# Altium PCB vme64x6U_ctrlc.PcbDoc (part 14 of 18) (continued)
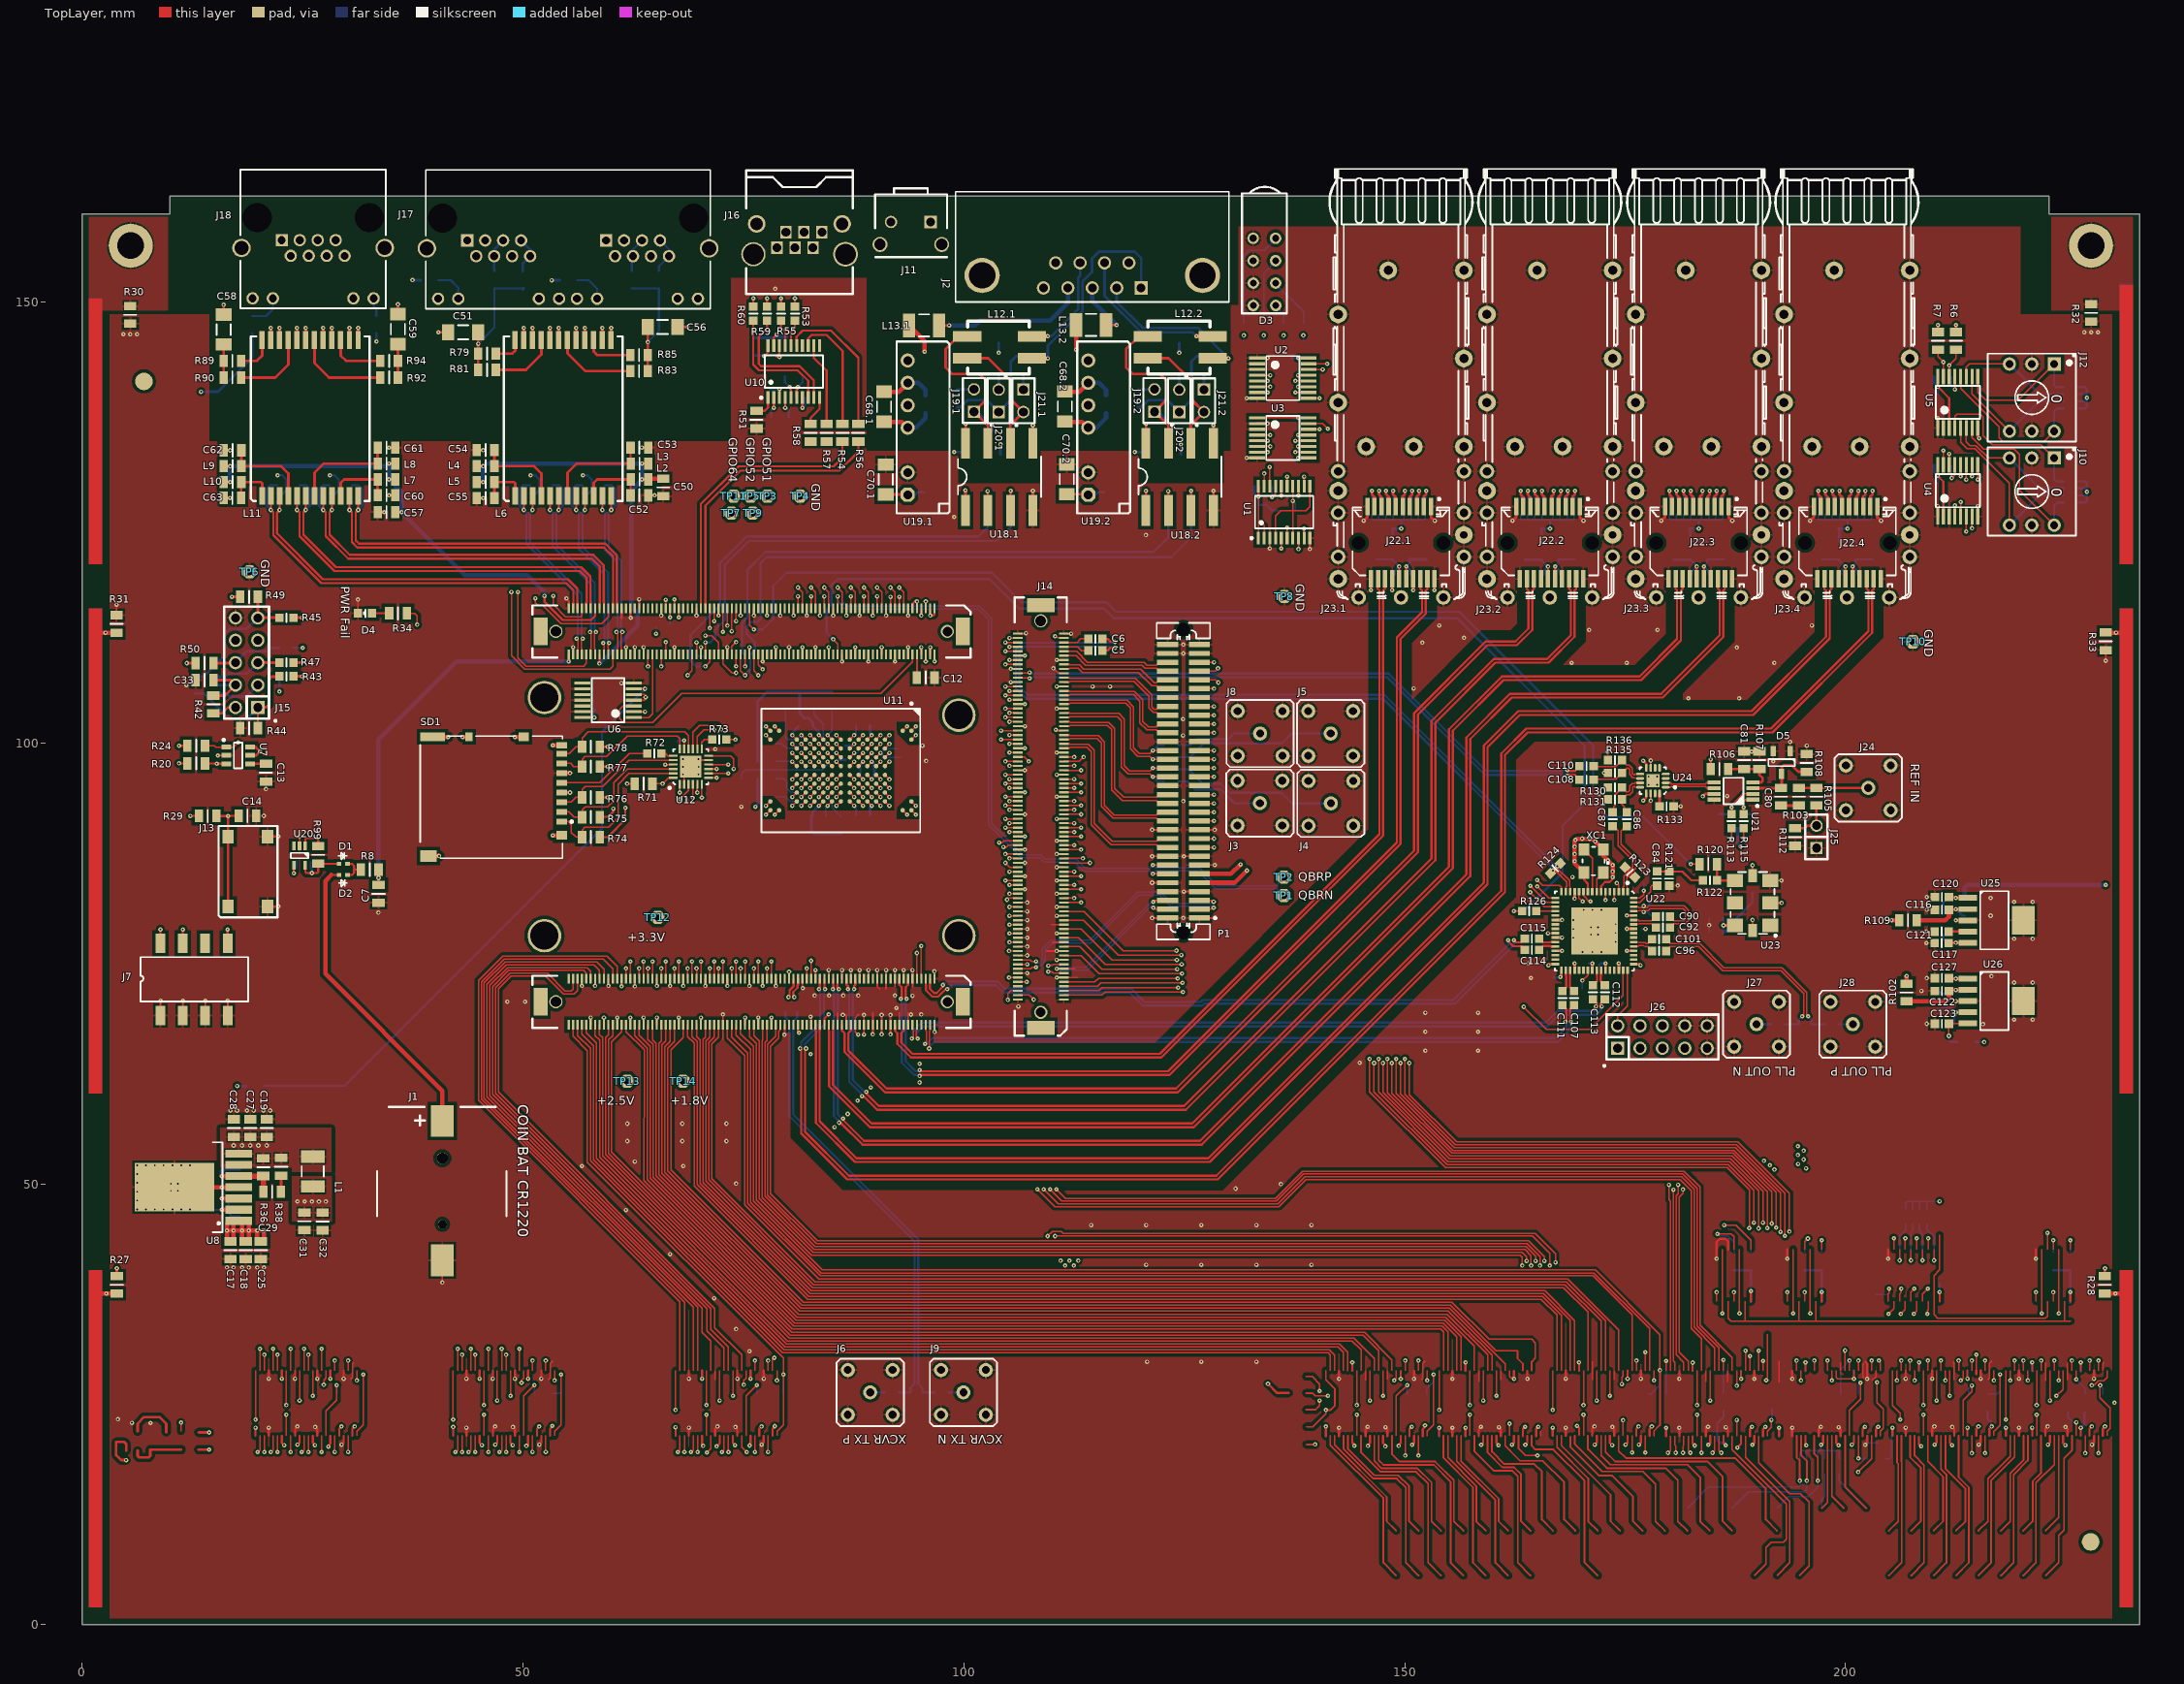
[diagram p0: TopLayer view]
## Nets (pads, with @x,y where several pads share a name; then routed paths per layer and width w, separated by ;. In a path a pad name is that pad's centre, name@x,y a point inside that pad or via, vN(x,y) a via of type N, cw(c..) or ccw(c..) an arc to the next point about the centre after c; other vN are vias at no path point) (continued)
  TopLayer w0.25: C63.1@16.035,127.785 v1(16.76,127.785) ; C62.1@16.06,133.185 v1(16.785,133.185) ; J13.3@21.035,81.435 v1@22.21,81.435 ; J13.4@21.035,89.385 v1@22.21,89.385 ; 21.15,21.425 v1(21.15,22.35) ; v1(21.15,27.9) 21.15,28.825 ; 24.15,21.425 24.15,22.225 v1(24.4,22.475) ; v1(24.15,27.9) 24.15,28.825 ; v1(26.425,22.425) 26.65,22.2 26.65,21.425 ; v1(26.65,27.9) 26.65,28.825 ; v1(29.425,20.425) 29.65,20.65 29.65,21.425 ; v1(29.65,27.9) 29.65,28.825 ; C57.1@33.51,126.185 v1(34.235,126.185) ; v1(34.785,128.085) C60.1@35.51,128.085 ; v1(34.785,133.485) C61.1@35.51,133.485 ; 43.575,21.425 v1(43.575,22.35) ; v1(43.575,27.9) 43.575,28.825 ; C55.1@44.75,127.775 v1(45.475,127.775) ; C54.1@44.75,133.2 v1(45.475,133.2) ; 46.575,21.425 46.575,22.225 v1(46.825,22.475) ; v1(46.575,27.9) 46.575,28.825 ; v1(48.85,22.425) 49.075,22.2 49.075,21.425 ; v1(49.075,27.9) 49.075,28.825 ; v1(51.85,20.425) 52.075,20.65 52.075,21.425 ; v1(52.075,27.9) 52.075,28.825 ; v1@54.925,116.3 55.175,116.05 J14.A167@55.175,115.25 ; 61.175,114.2 J14.A143@61.175,115.25 ; v1@62.175,114.2 J14.A139@62.175,115.25 ; J14.A135@63.175,115.25 v1(63.175,116.3) ; v1(63.475,133.5) C53.1@64.2,133.5 ; C52.1@64.2,128.075 C50.1@65.8,128.075 ; 68.8,21.425 v1(68.8,22.35) ; v1(68.8,27.9) 68.8,28.825 ; 71.8,21.425 71.8,22.225 v1(72.05,22.475) ; v1(74.075,22.425) 74.3,22.2 74.3,21.425 ; v1(74.3,27.9) 74.3,28.825 ; v1(77.075,20.425) 77.3,20.65 77.3,21.425 ; v1(77.3,27.9) 77.3,28.825 ; 78.735,143.81 79.085,144.16 U10.18@79.085,145.06 ; v1(132.08,132.325) U3.8@133.255,132.325 ; v1(132.08,139.1) U2.8@133.255,139.1 ; U3.2@133.255,136.225 v1(134.43,136.225) ; U2.1@133.255,143.65 v1(134.43,143.65) ; 142.55,21.4 142.55,21.425 v1(142.55,22.325) ; v1(142.55,27.875) 142.55,28.8 ; 145.55,21.4 145.55,21.425 145.55,22.2 v1(145.8,22.45) ; v1(147.825,22.4) 148.05,22.175 148.05,21.4 ; v1(150.825,20.4) 151.05,20.625 151.05,21.4 ; v1(151.05,27.875) 151.05,28.8 ; 155.4,21.4 155.4,21.425 v1(155.4,22.325) ; v1(155.4,27.875) 155.4,28.8 ; 158.4,21.4 158.4,21.425 158.4,22.2 v1(158.65,22.45) ; v1(160.675,22.4) 160.9,22.175 160.9,21.4 ; v1(163.675,20.4) 163.9,20.625 163.9,21.4 ; v1(163.9,27.875) 163.9,28.8 ; 168.275,21.425 v1(168.275,22.35) ; v1(168.275,27.9) 168.275,28.825 ; 171.275,21.425 171.275,22.225 v1(171.525,22.475) ; v1(173.55,22.425) 173.775,22.2 173.775,21.425 ; v1(176.55,20.425) 176.775,20.65 176.775,21.425 ; v1(176.775,27.9) 176.775,28.825 ; 181.15,21.4 v1(181.15,22.325) ; v1(181.15,27.875) 181.15,28.8 ; 184.15,21.4 184.15,22.2 v1(184.4,22.45) ; v1(185.375,41.525) 185.375,42.575 185.375,43.406 185.744,43.775 186.362,43.775 186.675,43.462 186.675,42.575 ; v1(186.425,22.4) 186.65,22.175 186.65,21.4 ; v1(189.425,20.4) 189.65,20.625 189.65,21.4 ; v1(189.65,27.875) 189.65,28.8 ; v1(193.4,41.525) 193.4,42.575 ; 193.95,21.4 193.95,21.425 v1(193.95,22.325) ; v1(193.95,27.875) 193.95,28.8 ; 196.95,21.4 196.95,21.425 196.95,22.2 v1(197.2,22.45) ; v1(199.225,22.4) 199.45,22.175 199.45,21.4 ; v1(202.225,20.4) 202.45,20.625 202.45,21.4 ; 202.25,29.825 202.45,29.625 202.45,28.825 ; v1(202.45,27.875) 202.45,28.8 ; v1(204.825,41.525) 204.825,42.575 ; 206.825,21.425 v1(206.825,22.35) ; v1(206.825,27.9) 206.825,28.825 ; 209.825,21.425 209.825,22.225 v1(210.075,22.475) ; v1(209.825,27.9) 209.825,28.825 ; v1(212.1,22.425) 212.325,22.2 212.325,21.425 ; v1(215.1,20.425) 215.325,20.65 215.325,21.425 ; v1(215.325,27.9) 215.325,28.825 ; 219.675,21.425 v1(219.675,22.35) ; v1(219.675,27.9) 219.675,28.825 ; v1(221.6,41.525) 221.6,42.575 ; 222.675,21.425 222.675,22.225 v1(222.925,22.475) ; v1(224.95,22.425) 225.175,22.2 225.175,21.425 ; v1(227.95,20.425) 228.175,20.65 228.175,21.425 ; v1(228.175,27.9) 228.175,28.825
  TopLayer w0.3: U18.1.4@107.825,126.375 v1(107.825,128.6) ; U18.2.4@128.3,126.375 v1(128.3,128.6) ; v1(139.25,121.975) U1.10@139.25,123.225 ; v1(145.35,125.2) 145.775,125.625 J22.1.10@145.775,126.8 ; v1(146.175,117.325) J22.1.11@146.175,118.6 ; v1(148.575,117.325) J22.1.14@148.575,118.6 ; v1(150.975,117.325) J22.1.17@150.975,118.6 ; J22.1.1@152.975,126.8 152.975,125.625 v1(153.4,125.2) ; v1(153.375,117.325) J22.1.20@153.375,118.6 ; v1(162.225,125.2) 162.65,125.625 J22.2.10@162.65,126.8 ; J22.2.1@169.85,126.8 169.85,125.625 v1(170.275,125.2) ; v1(179.1,125.2) 179.525,125.625 J22.3.10@179.525,126.8 ; J22.3.1@186.725,126.8 186.725,125.625 v1(187.15,125.2) ; v1(195.975,125.2) 196.4,125.625 J22.4.10@196.4,126.8 ; J22.4.1@203.6,126.8 203.6,125.625 v1(204.025,125.2) ; U4.1@210.45,125.68 v1(210.45,126.85) ; U5.1@210.45,135.705 v1(210.45,136.85) ; v1(212.507,79.883) U25.3@213.875,79.883 ; U4.8@215,125.68 v1(215,126.85) ; v1@215,134.655 U5.8@215,135.825
  TopLayer w0.5: U8.0@14.525,49.61 v1(15.82,49.61) U8.4@17.76,49.61 ; SD1.6@54.375,96.575 v1(55.325,96.575)
  MidLayer3 w0.5: v1(78.6,151.5) 78.6,151.875 80.84,154.115 J16.4@80.84,156.153 80.84,156.908 J16.3@81.86,157.928 81.86,159.335 83.175,160.65 90.17,160.65 J11.2@91.735,159.085
  BottomLayer w0.15: v1@11.99,106.56 U9.2@12.835,106.56 ; C106.1@176.85,78.9 176.871,78.921 v1(177.309,78.921) ; C83.2@184.525,78.5 v1(184.525,79.325) C82.2@184.525,80.15 ; v1@202.15,20.6 203.75,20.6
  BottomLayer w0.25: U15.2@22.08,128.285 22.78,128.285 23.165,128.67 23.165,129.87 22.69,130.345 v1(22.165,130.345) ; U16.2@28.02,128.285 28.72,128.285 29.105,128.67 29.105,129.87 28.63,130.345 v1(28.105,130.345) ; U13.2@50.775,128.285 51.475,128.285 51.86,128.67 51.86,129.87 51.385,130.345 v1(50.86,130.345) ; U14.2@56.715,128.285 57.415,128.285 57.8,128.67 57.8,129.87 57.325,130.345 v1(56.8,130.345) ; v1@80.55,92.85 v1(80.55,92.875) ; v1(80.55,100.875) 80.55,101.175 C46.2@81.275,101.9 ; v1(85.55,97.875) 85.75,98.075 C47.2@86.575,98.075 ; v1(87.55,92.875) 87.75,92.675 C45.2@87.75,91.8 ; v1(87.55,100.875) 87.75,101.075 C43.2@87.75,102 ; v1(88.55,95.875) 88.25,96.175 C44.2@88.25,96.9 88.25,97.575 v1(88.55,97.875) ; 168.275,21.475 v1(168.275,22.35) ; v1(168.275,27.9) 168.275,28.65 ; v1(176.775,27.9) 176.775,28.65 ; 181.15,21.45 v1(181.15,22.325) ; v1(181.15,27.875) 181.15,28.625 ; v1(189.65,27.875) 189.65,28.625 ; 193.95,21.45 193.95,21.475 ; v1(193.95,22.325) 193.95,21.475 ; v1(193.95,27.875) 193.95,28.625 ; 194.05,21.375 193.95,21.475 ; v1(202.45,27.875) 202.45,28.625 ; 202.45,28.775 202.475,28.8 ; 206.825,21.475 v1(206.825,22.35) ; v1(206.825,27.9) 206.825,28.65 ; v1(215.325,27.9) 215.325,28.65 ; 219.675,21.475 v1(219.675,22.35) ; v1@219.675,27.775 v1(219.675,27.9) 219.675,28.65 ; v1(228.175,27.9) 228.175,28.65
  other v1: 7.75,22.875 5.635,22.905 4.05,23.3 120.791,29.829 126.926,29.825 133.176,29.825 75.676,31.025 74.176,33.525 71.676,37.025 16.41,40.51 17.16,40.51 18.135,40.51 18.885,40.51 19.86,40.51 20.61,40.51 120.676,40.825 126.926,40.825 133.176,40.825 139.426,40.825 66.676,42.025 25.2,43.48 27.25,43.48 114.426,45.325 120.676,45.325 126.926,45.325 133.176,45.325 139.426,45.325 61.676,47.025 6.235,47.11 7.235,47.11 8.235,47.11 9.235,47.11 10.235,47.11 11.235,47.11 12.235,47.11 6.235,48.11 6.235,49.11 10.06,49.21 10.86,49.21 130.81,49.46 135.96,49.96 10.06,50.01 10.86,50.01 74.176,50.025 6.235,50.11 6.235,51.11 56.676,52.025 68.176,52.025 6.235,52.11 7.235,52.11 8.235,52.11 9.235,52.11 10.235,52.11 11.235,52.11 12.235,52.11 62.676,52.525 61.825,54.85 68.075,54.85 73.075,54.85 85.325,56.425 61.825,56.825 68.075,56.825 73.075,56.825 86.824,57.924 16.81,58.31 17.56,58.31 18.685,58.31 19.435,58.31 20.56,58.31 21.31,58.31 87.938,59.438 89.438,60.938 94.975,61.5 94.975,63.625 144.885,63.735 82.625,64.725 152.35,65.1 158.325,65.1 88.675,66.925 152.35,67.25 158.325,67.25 215.575,68.1 209.198,68.15 219.125,68.625 221.225,68.625 82.6,68.95 86.275,69.15 94,69.197 95.175,69.2 152.35,69.4 158.325,69.4 92.35,69.947 106.175,70.125 48.225,70.65 50.225,70.65 83.075,71.35 84.7,71.35 86.325,71.35 88.025,71.35 92.175,71.35 94.175,71.329 208.6,71.875 219.125,72.825 221.225,72.825 209.198,73.325 164.3,73.35 216.55,73.55 107.175,73.9 96.649,74.1 107.175,74.9 164.025,74.975 107.175,75.9 170.175,76.275 171.3,76.275 172.3,76.275 107.175,76.9 209.175,77.3 173.925,77.45 219.125,77.783 221.225,77.783 107.175,77.9 169.125,77.9 171.125,78.275 171.925,78.275 173.925,78.45 209.175,78.6 107.175,78.9 169.125,78.9 171.125,79.075 171.925,79.075 173.925,79.45 107.175,79.9 169.125,79.9 124.901,80.15 216.45,80.408 33.6,80.75 107.175,80.9 170.3,81.075 171.3,81.075 172.3,81.075 209.2,81.075 22.235,81.46 107.175,81.9 219.125,81.983 221.225,81.983 216.45,82.408 209.2,82.525 180.975,83.825 169.025,84.8 22.235,89.41 20.585,91.735 74.75,92.775 124.875,93.4 186.575,93.975 172.05,94.25 20.85,94.775 68.15,96.425 69.9,96.425 68.125,97.3 69.925,97.3 191.8,97.925 95.725,97.95 68.15,98.175 69.9,98.175 173,98.95 189.35,99.025 71.801,99.3 95.3,99.7 195.6,99.7 193.7,100.125 124.85,100.85 124.85,102.7 182.176,105.075 187.926,105.075 151.026,106.175 114.6,106.4 116.575,106.4 11.815,106.56 168.926,109.075 175.176,109.075 191.926,109.075 124.9,110.15 187.676,110.825 124.9,111.15 152.001,111.375 156.726,111.925 107.05,112.443 170.926,112.825 178.676,112.825 153.926,113.325 196.176,113.325 62.225,114.2 54.925,116.4 120.65,123.575 98.9,125.625 64.925,128.075 215.15,134.555 79.085,143.76 4.675,146.35 5.45,146.35 6.225,146.35 227.075,146.575 227.85,146.575 228.625,146.575
GPIO51: J14.A82 TP3.1 | length 22.5
  TopLayer w0.15: J14.A82@76.675,110.05 76.675,108.85 v1(77.175,108.35)
  MidLayer4 w0.15: v1(77.175,108.35) 77.45,108.35 77.775,108.675 77.775,109.4 77.075,110.1 77.075,124.8 77.725,125.45 TP3.1@77.725,128
GPIO52: J14.A84 TP5.1 | length 23.6
  TopLayer w0.15: J14.A84@76.175,110.05 76.175,108.175 v1(76.675,107.675)
  MidLayer4 w0.15: TP5.1@75.8,128 77.1,126.7 77.1,125.391 76.675,124.966 v1(76.675,107.675)
GPIO57: J14.A98 R23.1 | length 99.2
  TopLayer w0.15: J14.A98@72.675,110.05 72.675,108.975 73.7,107.95 v1(74.175,107.95)
  MidLayer3 w0.15: v1(74.175,107.95) 74.675,108.45 74.675,113.475 75.325,114.125 75.325,114.775 75.55,115 81.5,115 82.1,115.6 82.1,118.025 83.59,119.515 86.2,119.515 129.734,119.515 131.455,121.236 131.455,135.28 136.525,140.35 136.525,144.25 v1(138.5,146.225)
  BottomLayer w0.15: R23.1@138.5,145.5 v1(138.5,146.225)
GPIO58: J14.A100 TP7.1 | length 19.7
  TopLayer w0.15: v1(70.675,112.175) 71.4,112.175 72.175,111.4 J14.A100@72.175,110.05
  MidLayer4 w0.15: v1(70.675,112.175) 71.35,112.175 74.825,115.65 74.825,124.175 73.625,125.375 TP7.1@73.625,126.075
GPIO63: J14.A92 TP9.1 | length 19.5
  TopLayer w0.15: v1(74.175,108.7) J14.A92@74.175,110.05
  MidLayer4 w0.15: v1(74.175,108.7) 75.18,109.705 75.18,111.055 75.675,111.55 75.675,124.625 76.05,125 TP9.1@76.05,126.075
GPIO64: J14.A94 TP11.1 | length 19.2
  TopLayer w0.15: J14.A94@73.675,110.05 73.675,110.925 v1(74.175,111.425)
  MidLayer4 w0.15: TP11.1@73.875,128 74.825,127.05 74.825,125.25 75.25,124.825 75.25,112.5 v1(74.175,111.425)
GTP_REF0.IO_N: C111.2 J14.B6 | length 78.6
  TopLayer w0.15: v1(95.59,65.875) 95.763,66.047 95.763,67.338 95.675,67.425 J14.B6@95.675,68.05
  TopLayer w0.25: C111.2@167.875,70.275 168.325,69.825 168.325,68.498 v1(168.203,68.375)
  BottomLayer w0.25: v1(95.59,65.875) 95.799,65.875 96.449,66.525 167.15,66.525 168.325,67.7 168.325,68.253 v1(168.203,68.375)
GTP_REF0.IO_P: C107.2 J14.B4 | length 79.5
  TopLayer w0.15: v1(96.06,65.35) 96.088,65.377 96.088,67.338 96.175,67.425 J14.B4@96.175,68.05
  TopLayer w0.25: v1(168.873,68.375) 168.75,68.498 168.75,69.825 C107.2@169.2,70.275
  BottomLayer w0.25: v1(96.06,65.35) 96.06,65.535 96.625,66.1 167.326,66.1 168.75,67.524 168.75,68.253 v1(168.873,68.375)
GTP_REF1.IO_N: C113.2 J14.B12 | length 82.6
  TopLayer w0.15: v1(94.09,66.475) 94.262,66.647 94.262,67.338 94.175,67.425 J14.B12@94.175,68.05
  TopLayer w0.25: C113.2@171.35,70.925 171.813,70.463 171.813,70.248 v1(171.69,70.125)
  BottomLayer w0.25: v1(94.09,66.475) 94.212,66.597 94.212,67.276 95.211,68.275 166,68.275 167.325,69.6 171.612,69.6 171.813,69.8 171.813,70.003 v1(171.69,70.125)
GTP_REF1.IO_P: C112.2 J14.B10 | length 82.6
  TopLayer w0.15: J14.B10@94.675,68.05 94.675,67.425 94.587,67.338 94.587,66.647 v1(94.76,66.475)
  TopLayer w0.25: v1(172.36,70.125) 172.238,70.248 172.238,70.463 C112.2@172.7,70.925
  BottomLayer w0.25: v1(94.76,66.475) 94.637,66.597 94.637,67.1 95.388,67.85 166.176,67.85 167.501,69.175 171.789,69.175 172.238,69.624 172.238,70.003 v1(172.36,70.125)
GTP_REF2.IO_N: C115.2 J14.B5 | length 74.7
  TopLayer w0.25: J14.B5@95.675,73.25 95.675,72.575 95.713,72.538 95.713,71.936 96.424,71.225 97.076,71.225 97.926,72.075 v1(98.1,72.075) ; v1(162.395,77.625) 162.645,77.375 163.2,77.375 C115.2@163.625,77.8
  BottomLayer w0.25: v1(98.1,72.075) 98.549,72.525 103.625,72.525 104.45,71.7 118.8,71.7 120.299,70.201 127.027,70.201 127.251,70.424 155.699,70.424 162.395,77.12 v1(162.395,77.625)
GTP_REF2.IO_P: C114.2 J14.B3 | length 74.2
  TopLayer w0.25: J14.B3@96.175,73.25 96.175,72.575 96.138,72.538 96.138,72.113 96.6,71.65 96.9,71.65 97.626,72.376 v1(97.626,72.549) ; v1(161.725,77.625) 161.725,77.524 162.299,76.95 163.2,76.95 C114.2@163.625,76.525
  BottomLayer w0.25: v1(97.626,72.549) 98.027,72.95 103.801,72.95 104.626,72.125 118.976,72.125 120.476,70.626 126.851,70.626 127.074,70.849 155.523,70.849 161.725,77.051 v1(161.725,77.625)
HPS_PORn: J14.A132 R24.2 U7.1 U11.M5 | length 81.7
  TopLayer w0.15: R24.2@13.925,99.675 15.025,99.675 15.165,99.535 U7.1@16.335,99.535 17.16,99.535 v1(17.675,100.05) ; v1(64.175,108.675) J14.A132@64.175,110.05 ; v1(82.55,97.875) U11.M5@83.05,97.375
  MidLayer3 w0.15: v1(17.675,100.05) 29.724,100.05 32.574,102.9 56.2,102.9 56.9,103.6 62.675,103.6 63.5,104.425 64.075,104.425 64.5,104.85 64.5,106.525 64.175,106.85 v1(64.175,108.675)
  MidLayer4 w0.15: v1(64.175,108.675) 67.5,105.35 70.35,105.35 77.325,98.375 82.05,98.375 v1(82.55,97.875)
HPS_RSTn: C14.1 J13.1 J13.2 J14.A124 R29.2 R41.1 | length 88.7
  TopLayer w0.15: J14.A124@66.175,110.05 v1(66.175,111.425)
  TopLayer w0.25: R29.2@15.225,91.725 15.24,91.71 v1(16.535,91.71) ; J13.1@16.535,81.435 J13.2@16.535,89.385 v1(16.535,91.71) ; C14.1@17.735,91.735 16.56,91.735 v1(16.535,91.71)
  MidLayer3 w0.15: v1(16.535,91.71) 16.535,100.46 18.65,102.575 18.65,107.2 19.25,107.8 20.525,107.8 21.445,106.88 25.055,106.88 26.05,107.875 26.05,109.745 v1(25.01,110.785) 25.01,112.163 27.117,114.27 60.897,114.27 61.862,113.305 65.47,113.305 66.175,112.6 v1(66.175,111.425)
  BottomLayer w0.3: R41.1@23.96,110.785 v1(25.01,110.785)
I2C_SCL: J14.A111
I2C_SDA: J14.A113
IN0_N: C85.2 U22.64 | length 2.6
  TopLayer w0.15: U22.64@175.975,82.425 176.7,82.425 177.1,82.825 v1(177.1,83.25)
  BottomLayer w0.15: v1(177.1,83.25) C85.2@177.1,84.175
IN0_P: C84.2 U22.63 | length 3.7
  TopLayer w0.15: U22.63@175.975,81.925 176.675,81.925 177.875,83.125 177.875,83.625 178.075,83.825 C84.2@178.625,83.825
IN1_N: C87.2 R123.1 U22.2 | length 9.4
  TopLayer w0.15: C87.2@173.725,90.55 174.225,90.05 174.225,88.375 175.875,86.725 175.875,85.885 175.433,85.442 ; U22.2@174.775,83.125 174.775,83.625 174.862,83.713 174.862,84.872 175.433,85.442 ; R123.1@174.984,85.891 175.433,85.442
IN1_P: C86.2 R123.2 U22.1 | length 9.4
  TopLayer w0.15: C86.2@175.075,90.55 174.55,90.025 174.55,88.51 176.2,86.86 176.2,85.75 175.65,85.2 ; U22.1@175.275,83.125 175.275,83.625 175.187,83.713 175.187,84.737 175.65,85.2 ; R123.2@176.116,84.759 175.675,85.2 175.65,85.2
IN2_N: C6.2 R124.1 U22.15 | length 90.4
  TopLayer w0.15: v1(166.828,85.528) 167.072,85.528 168.362,84.238 168.362,83.713 168.275,83.625 U22.15@168.275,83.125
  TopLayer w0.25: C6.2@115.7,111.8 116.3,111.8 116.628,111.472 v1(117.125,111.472)
  BottomLayer w0.15: v1(166.828,85.528) v1@166.828,85.722
  BottomLayer w0.25: v1(117.125,111.472) 117.003,111.35 106.649,111.35 105.9,110.601 105.9,106.199 107.074,105.025 147.525,105.025 v1@166.828,85.722
IN2_P: C5.2 R124.2 U22.14 | length 89.6
  TopLayer w0.15: v1(167.302,86.002) 167.302,85.758 168.687,84.372 168.687,83.713 168.775,83.625 U22.14@168.775,83.125
  TopLayer w0.25: C5.2@115.7,110.475 116.3,110.475 116.628,110.802 v1(117.125,110.802)
  BottomLayer w0.15: v1@167.149,86.002 v1(167.302,86.002)
  BottomLayer w0.25: v1(117.125,110.802) 117.003,110.925 106.825,110.925 106.325,110.425 106.325,106.375 107.25,105.45 147.701,105.45 v1@167.149,86.002
IO_AL1: J14.A15 U22.12 | length 101
  TopLayer w0.15: v1(92.675,117.625) 93.175,117.125 J14.A15@93.175,115.25 ; U22.12@169.775,83.125 169.775,82.425 v1(170.175,82.025)
  MidLayer3 w0.15: v1@170.175,81.975 v1(170.175,82.025)
  MidLayer4 w0.15: v1(92.675,117.625) 93.105,118.055 93.3,118.055 125.155,118.055 130.13,113.08 146.729,113.08 168.325,91.484 168.325,86.4 170.175,84.55 v1(170.175,82.025)
IO_AL2: J14.A17 U22.18 | length 97.2
  TopLayer w0.15: J14.A17@92.675,115.25 v1(92.675,116.575) v1@92.675,116.625 ; v1(164.25,83.8) 166.125,81.925 U22.18@167.075,81.925
  MidLayer4 w0.15: v1(92.675,116.575) 93.495,116.575 94.335,117.415 124.89,117.415 129.865,112.44 146.464,112.44 164.25,94.654 v1(164.25,83.8)
IO_AL3: J14.A19 U22.16 | length 99.6
  TopLayer w0.15: v1(91.675,117.625) 92.175,117.125 J14.A19@92.175,115.25 ; v1(165,84.45) 165.625,83.825 167.55,83.825 167.775,83.6 U22.16@167.775,83.125
  MidLayer4 w0.15: v1(91.675,117.625) 92.175,117.125 93.225,117.125 93.835,117.735 125.023,117.735 129.998,112.76 146.596,112.76 164.57,94.786 164.57,84.88 v1(165,84.45)
IO_AL4: J14.A21 U22.19 | length 98.8
  TopLayer w0.15: J14.A21@91.675,115.25 v1(91.675,116.575) v1@91.675,116.625 ; v1(164.225,83.075) 165.875,81.425 U22.19@167.075,81.425
  MidLayer4 w0.15: v1(91.675,116.575) 92.17,116.08 93.452,116.08 94.467,117.095 124.758,117.095 129.733,112.12 146.331,112.12 163.9,94.551 163.9,84.325 163.755,84.18 163.755,83.545 v1(164.225,83.075)
IO_AL5: J14.A25 R118.2 U23.7 | length 123.1
  TopLayer w0.15: v1(90.175,117.625) 90.675,117.125 J14.A25@90.675,115.25
  TopLayer w0.25: U23.7@189.45,78.75 v1(189.45,79.925)
  MidLayer4 w0.15: v1@90.15,117.65 90.901,118.401 125.299,118.401 130.3,113.4 146.925,113.4 169.665,90.66 176.215,90.66 179.225,87.65 185.975,87.65 188.375,85.25 188.375,81 v1(189.45,79.925)
  BottomLayer w0.25: v1(189.45,79.925) 189.45,78.75 R118.2@189.525,78.675
IO_AL6: J14.A27 U22.47 | length 126.2
  TopLayer w0.15: J14.A27@90.175,115.25 v1(90.175,116.625) ; v1(163.5,70.075) 166.05,67.525 170.95,67.525 174.775,71.35 U22.47@174.775,74.225
  MidLayer4 w0.15: v1(90.175,116.625) 90.625,116.625 91.525,115.725 93.55,115.725 94.6,116.775 124.625,116.775 129.6,111.8 146.199,111.8 163.58,94.419 163.58,84.68 163.325,84.425 163.325,83.35 163.5,83.175 v1(163.5,70.075)
IO_AL7: J14.A31 R119.2 U23.8 | length 119.9
  TopLayer w0.15: v1(88.675,117.625) 89.175,117.125 J14.A31@89.175,115.25
  TopLayer w0.25: U23.8@189.45,84.95 v1(189.45,86.125)
  MidLayer4 w0.15: v1(88.675,117.625) 90.091,119.041 125.564,119.041 130.565,114.04 147.19,114.04 169.93,91.3 176.547,91.3 179.272,88.575 187,88.575 v1(189.45,86.125)
  BottomLayer w0.25: R119.2@189.425,85.025 189.425,86.1 v1(189.45,86.125)
IO_AL8: J14.A33 U23.2 | length 123.1
  TopLayer w0.15: J14.A33@88.675,115.25 v1(88.675,116.625)
  TopLayer w0.25: U23.2@191.45,81.85 v1(192.75,81.85)
  MidLayer4 w0.15: v1(88.675,116.625) 89.5,117.45 89.5,117.825 90.396,118.721 90.55,118.721 125.431,118.721 130.433,113.72 147.058,113.72 169.798,90.98 176.37,90.98 179.25,88.1 186.5,88.1 v1(192.75,81.85)
IO_AL9: J14.A37 R115.1 | length 118.5
  TopLayer w0.15: v1(87.175,117.625) 87.675,117.125 J14.A37@87.675,115.25 ; v1(188.45,89.175) R115.1@188.45,90.325
  MidLayer4 w0.15: v1(87.175,117.625) 89.261,119.711 125.841,119.711 130.843,114.71 147.468,114.71 170.208,91.97 176.783,91.97 179.003,89.75 187.875,89.75 v1(188.45,89.175)
IO_AL10: J14.A39 R113.1 | length 116.2
  TopLayer w0.15: J14.A39@87.175,115.25 v1(87.175,116.625) ; v1(187.075,89.175) R113.1@187.075,90.325
  MidLayer4 w0.15: v1(87.175,116.625) 87.775,117.225 87.775,117.5 89.666,119.391 125.709,119.391 130.71,114.39 147.335,114.39 170.075,91.65 176.65,91.65 179.125,89.175 v1(187.075,89.175)
IO_AL11: J14.A49 R6.1 U1.18 U2.14 U3.14 U4.14 U5.14 | length 177.3
  TopLayer w0.15: v1(84.175,117.625) 84.675,117.125 J14.A49@84.675,115.25 ; U1.18@134.7,129.125 v1@134.7,131.4 ; U3.14@139.095,135.575 v1(140.35,135.575) ; U2.14@139.095,142.35 v1(140.7,142.35) ; U4.14@211.75,131.52 v1(211.75,132.79) ; U5.14@211.75,141.545 v1(211.75,142.815) 212.525,143.59 R6.1@212.525,144.6
  MidLayer3 w0.15: v1(84.175,117.625) 84.175,117.9 84.82,118.545 86.2,118.545 130.135,118.545 132.425,120.835 132.425,130.125 133.6,131.3 v1(134.675,131.3) 135.175,131.8 138.325,131.8 140.35,133.825 v1(140.35,135.575) 140.35,136.55 139.525,137.375 139.525,140.278 140.7,141.453 v1(140.7,142.35) 140.7,145.025 142.02,146.345 143.867,146.345 210.433,146.345 211.42,145.358 211.42,144.105 211.75,143.775 v1(211.75,142.815) v1(211.75,132.79)
IO_AL12: J14.A51 R7.1 U1.19 U2.15 U3.15 U4.15 U5.15 | length 177
  TopLayer w0.15: J14.A51@84.175,115.25 v1(84.175,116.625) ; U1.19@134.05,129.125 v1(134.05,130.55) ; U3.15@139.095,136.225 140.675,136.225 v1(141.275,135.625) ; U2.15@139.095,143 v1(141.2,143) ; R7.1@210.475,144.6 210.475,143.815 v1(211.1,143.19) U5.15@211.1,141.545 ; U4.15@211.1,131.52 v1(211.1,133.165)
  MidLayer3 w0.15: v1(84.175,116.625) 84.725,117.175 84.725,117.65 85.295,118.22 86.2,118.22 130.27,118.22 132.75,120.7 132.75,129.9 133.38,130.53 134.7,130.53 135.65,131.48 138.58,131.48 141.275,134.175 v1(141.275,135.625) 141.275,136.175 139.845,137.605 139.845,140.095 141.2,141.45 v1(141.2,143) 141.2,144.885 142.34,146.025 210.3,146.025 211.1,145.225 v1(211.1,143.19) v1(211.1,133.165)
IO_AL13: J14.A55 R4.1 U2.13 | length 82.2
  TopLayer w0.15: v1(82.675,117.625) 83.175,117.125 J14.A55@83.175,115.25 ; v1(137.9,141.7) U2.13@139.095,141.7
  MidLayer3 w0.15: v1(82.675,117.625) 82.675,117.875 83.995,119.195 84.925,119.195 129.866,119.195 131.775,121.104 131.775,130.65 133.375,132.25 133.375,134.6 134.375,135.6 137.525,135.6 139.175,137.25 139.175,141.15 138.625,141.7 v1(137.9,141.7)
  BottomLayer w0.15: v1(137.9,141.7) R4.1@139.15,141.7
IO_AL14: J14.A57 R5.1 U3.13 | length 72.4
  TopLayer w0.15: J14.A57@82.675,115.25 v1(82.675,116.625) ; v1(137.9,134.925) U3.13@139.095,134.925
  MidLayer3 w0.15: v1(82.675,116.625) 83.225,117.175 83.225,117.675 84.42,118.87 86.2,118.87 130.001,118.87 132.1,120.969 132.1,130.35 133.675,131.925 134.2,131.925 137.2,134.925 v1(137.9,134.925)
  BottomLayer w0.15: v1(137.9,134.925) R5.1@139.1,134.925
IO_AL15: J14.A61 R25.1 | length 81.2
  TopLayer w0.15: v1(81.175,117.625) 81.675,117.125 J14.A61@81.675,115.25
  MidLayer3 w0.15: v1(81.175,117.625) 81.175,118.7 82.63,120.155 129.469,120.155 130.815,121.502 130.815,135.545 133.525,138.255 133.525,145.75 v1(134,146.225)
  BottomLayer w0.15: R25.1@134,145.5 v1(134,146.225)
IO_AL16: J14.A63 R22.1 | length 81.8
  TopLayer w0.15: J14.A63@81.175,115.25 v1(81.175,116.625)
  MidLayer3 w0.15: v1(81.175,116.625) 81.75,117.2 81.75,118.5 83.085,119.835 86.2,119.835 129.601,119.835 131.135,121.369 131.135,135.413 136.205,140.483 136.205,146.18 v1(136.25,146.225)
  BottomLayer w0.15: R22.1@136.25,145.5 v1(136.25,146.225)
IO_AL17: J14.A67
IO_AL18: J14.A69
IO_AL19: J14.A73
IO_AL20: J14.A75
IO_AL21: J14.A79
IO_AL22: J14.A81
IO_AL25: J14.A85 R120.2 | length 132.2
  TopLayer w0.15: J14.A85@75.675,115.25 75.675,113.375 v1(76.175,112.875) ; v1(182.45,86.25) R120.2@183.425,86.25
  BottomLayer w0.25: v1(76.175,112.875) 77.175,112.875 78.375,114.075 78.375,117.825 79.857,119.307 80.6,119.307 103.193,119.307 106.543,115.957 116.168,115.957 117.025,115.1 117.25,114.875 156.2,114.875 171.375,99.7 171.375,93.225 172.975,91.625 177.075,91.625 v1(182.45,86.25)
IO_AR1: J14.A16
IO_AR2: J14.A18
IO_AR3: J14.A22
IO_AR4: J14.A24
IO_AR5: J14.A28
IO_AR6: J14.A30
IO_AR7: J14.A34
IO_AR8: J14.A36
IO_AR9: J14.A40
IO_AR10: J14.A42
IO_AR11: J14.A46 R126.2 | length 125.8
  TopLayer w0.15: v1(85.175,111.75) 85.675,111.25 J14.A46@85.675,110.05 ; v1(162.375,80.925) R126.2@163.325,80.925
  BottomLayer w0.25: v1(85.175,111.75) 84.425,112.5 84.425,115.1 84.975,115.65 84.975,117.9 85.675,118.6 102.9,118.6 106.25,115.25 115.875,115.25 116.975,114.15 155.925,114.15 170.4,99.675 170.4,93.1 167.9,90.6 167.9,85.3 163.525,80.925 v1(162.375,80.925)
IO_AR12: J14.A48
IO_AR13: J14.A52
IO_AR14: J14.A54
IO_AR15: J14.A58
IO_AR16: J14.A60
IO_AR17: J14.A64
IO_AR18: J14.A66
IO_AR19: J14.A70
IO_AR20: J14.A72
IO_AR21: J14.A76
IO_AR22: J14.A78
IO_BL1: J14.B7 | length 127.8
  TopLayer w0.15: J14.B7@95.175,73.25 v1(95.175,76.975) ; v1(181.56,49.36) 181.56,48.954 181.11,48.504 181.11,30.89 182.15,29.85 182.15,28.8
  MidLayer3 w0.15: v1(95.175,76.975) 95.175,76.75 97.755,74.17 99.183,74.17 100.35,73.003 100.35,65.493 113.882,51.961 179.964,51.961 181.56,50.365 v1(181.56,49.36)
IO_BL2: J14.B9 | length 126.3
  TopLayer w0.15: J14.B9@94.675,73.25 v1(94.675,76.175) ; v1(181.01,49.885) 181.01,48.86 180.79,48.64 180.79,30.61 181.65,29.75 181.65,28.8
  MidLayer3 w0.15: v1(94.675,76.175) 95.297,76.175 97.622,73.85 99.05,73.85 100.03,72.87 100.03,65.361 113.749,51.641 179.579,51.641 181.01,50.21 v1(181.01,49.885) v1@181.035,49.91
IO_BL3: J14.B57 | length 137.2
  TopLayer w0.15: J14.B57@82.675,73.25 v1@82.675,75.225 ; v1(179.96,49.885) 179.96,48.21 180.15,48.02 180.15,28.8
  MidLayer3 w0.15: v1(82.675,75.3) 83.115,75.3 84.865,77.05 92.75,77.05 96.3,73.5 98.935,73.5 99.672,72.763 99.672,65.213 113.601,51.284 179.191,51.284 179.96,50.515 v1(179.96,49.885)
IO_BL4: J14.B59 | length 137.3
  TopLayer w0.15: J14.B59@82.175,73.25 v1(82.175,74.425) ; v1(180.47,49.335) 180.47,29.905 180.65,29.725 180.65,28.8
  MidLayer3 w0.15: v1(82.175,74.425) 82.325,74.425 82.63,74.73 83.005,74.73 85,76.725 92.615,76.725 96.165,73.175 98.8,73.175 99.347,72.628 99.347,65.078 113.466,50.959 178.866,50.959 179.425,50.4 179.425,49.575 179.665,49.335 v1(180.47,49.335)
IO_BL5: J14.B75 | length 180.2
  TopLayer w0.15: J14.B75@78.175,73.25 v1(78.175,75.225) ; 225.675,28.825 v1(225.675,29.95)
  MidLayer3 w0.15: v1(78.175,75.225) 78.175,69.9 78.85,69.225 78.85,61.825 91.9,48.78 181.905,48.78 184.2,51.075 194.928,51.075 203.483,42.52 206.08,42.52 206.775,41.825 206.775,39.2 207.275,38.7 211.025,38.7 212.33,37.395 216.508,37.395 222.958,30.945 223.833,30.945 224.828,29.95 v1(225.675,29.95)
IO_BL6: J14.B77 | length 181.2
  TopLayer w0.15: J14.B77@77.675,73.25 v1(77.675,74.425) ; v1(224.175,27.7) 224.175,28.825
  MidLayer3 w0.15: v1(77.675,74.425) 77.675,69.65 77.625,69.6 77.625,62.551 91.716,48.46 182.038,48.46 184.333,50.755 194.795,50.755 203.35,42.2 205.2,42.2 205.45,41.95 205.45,37.45 205.85,37.05 216.4,37.05 222.825,30.625 223.7,30.625 224.175,30.15 v1(224.175,27.7)
IO_BL7: J14.B81 | length 180.2
  TopLayer w0.15: J14.B81@76.675,73.25 v1(76.675,75.225) ; 223.675,28.825 v1(223.675,29.95)
  MidLayer3 w0.15: v1(76.675,75.225) 76.675,69.925 77.3,69.3 77.3,62.423 91.583,48.14 182.17,48.14 184.465,50.435 194.64,50.435 204.09,40.985 204.09,37.06 204.425,36.725 216.262,36.725 223.037,29.95 v1(223.675,29.95)
IO_BL8: J14.B83 | length 177.9
  TopLayer w0.15: J14.B83@76.175,73.25 v1(76.175,74.425) ; 222.175,28.825 v1(222.175,29.95)
  MidLayer3 w0.15: v1(76.175,74.425) 76.175,70.075 76.025,69.925 76.025,63.246 91.451,47.82 182.303,47.82 184.598,50.115 194.507,50.115 203.77,40.852 203.77,36.883 204.253,36.4 216.128,36.4 222.175,30.353 v1(222.175,29.95)
IO_BL9: J14.B87 | length 181.5
  TopLayer w0.15: J14.B87@75.175,73.25 v1(75.175,75.225) ; v1(220.675,27.7) 220.675,28.825
  MidLayer3 w0.15: v1(75.175,75.225) 75.175,70.45 75.675,69.95 75.675,63.143 91.318,47.5 182.435,47.5 184.73,49.795 194.375,49.795 203.45,40.72 203.45,36.75 204.12,36.08 215.995,36.08 220.675,31.4 v1(220.675,27.7)